# KiCad board B-Sides 2024.kicad_pcb (continued)
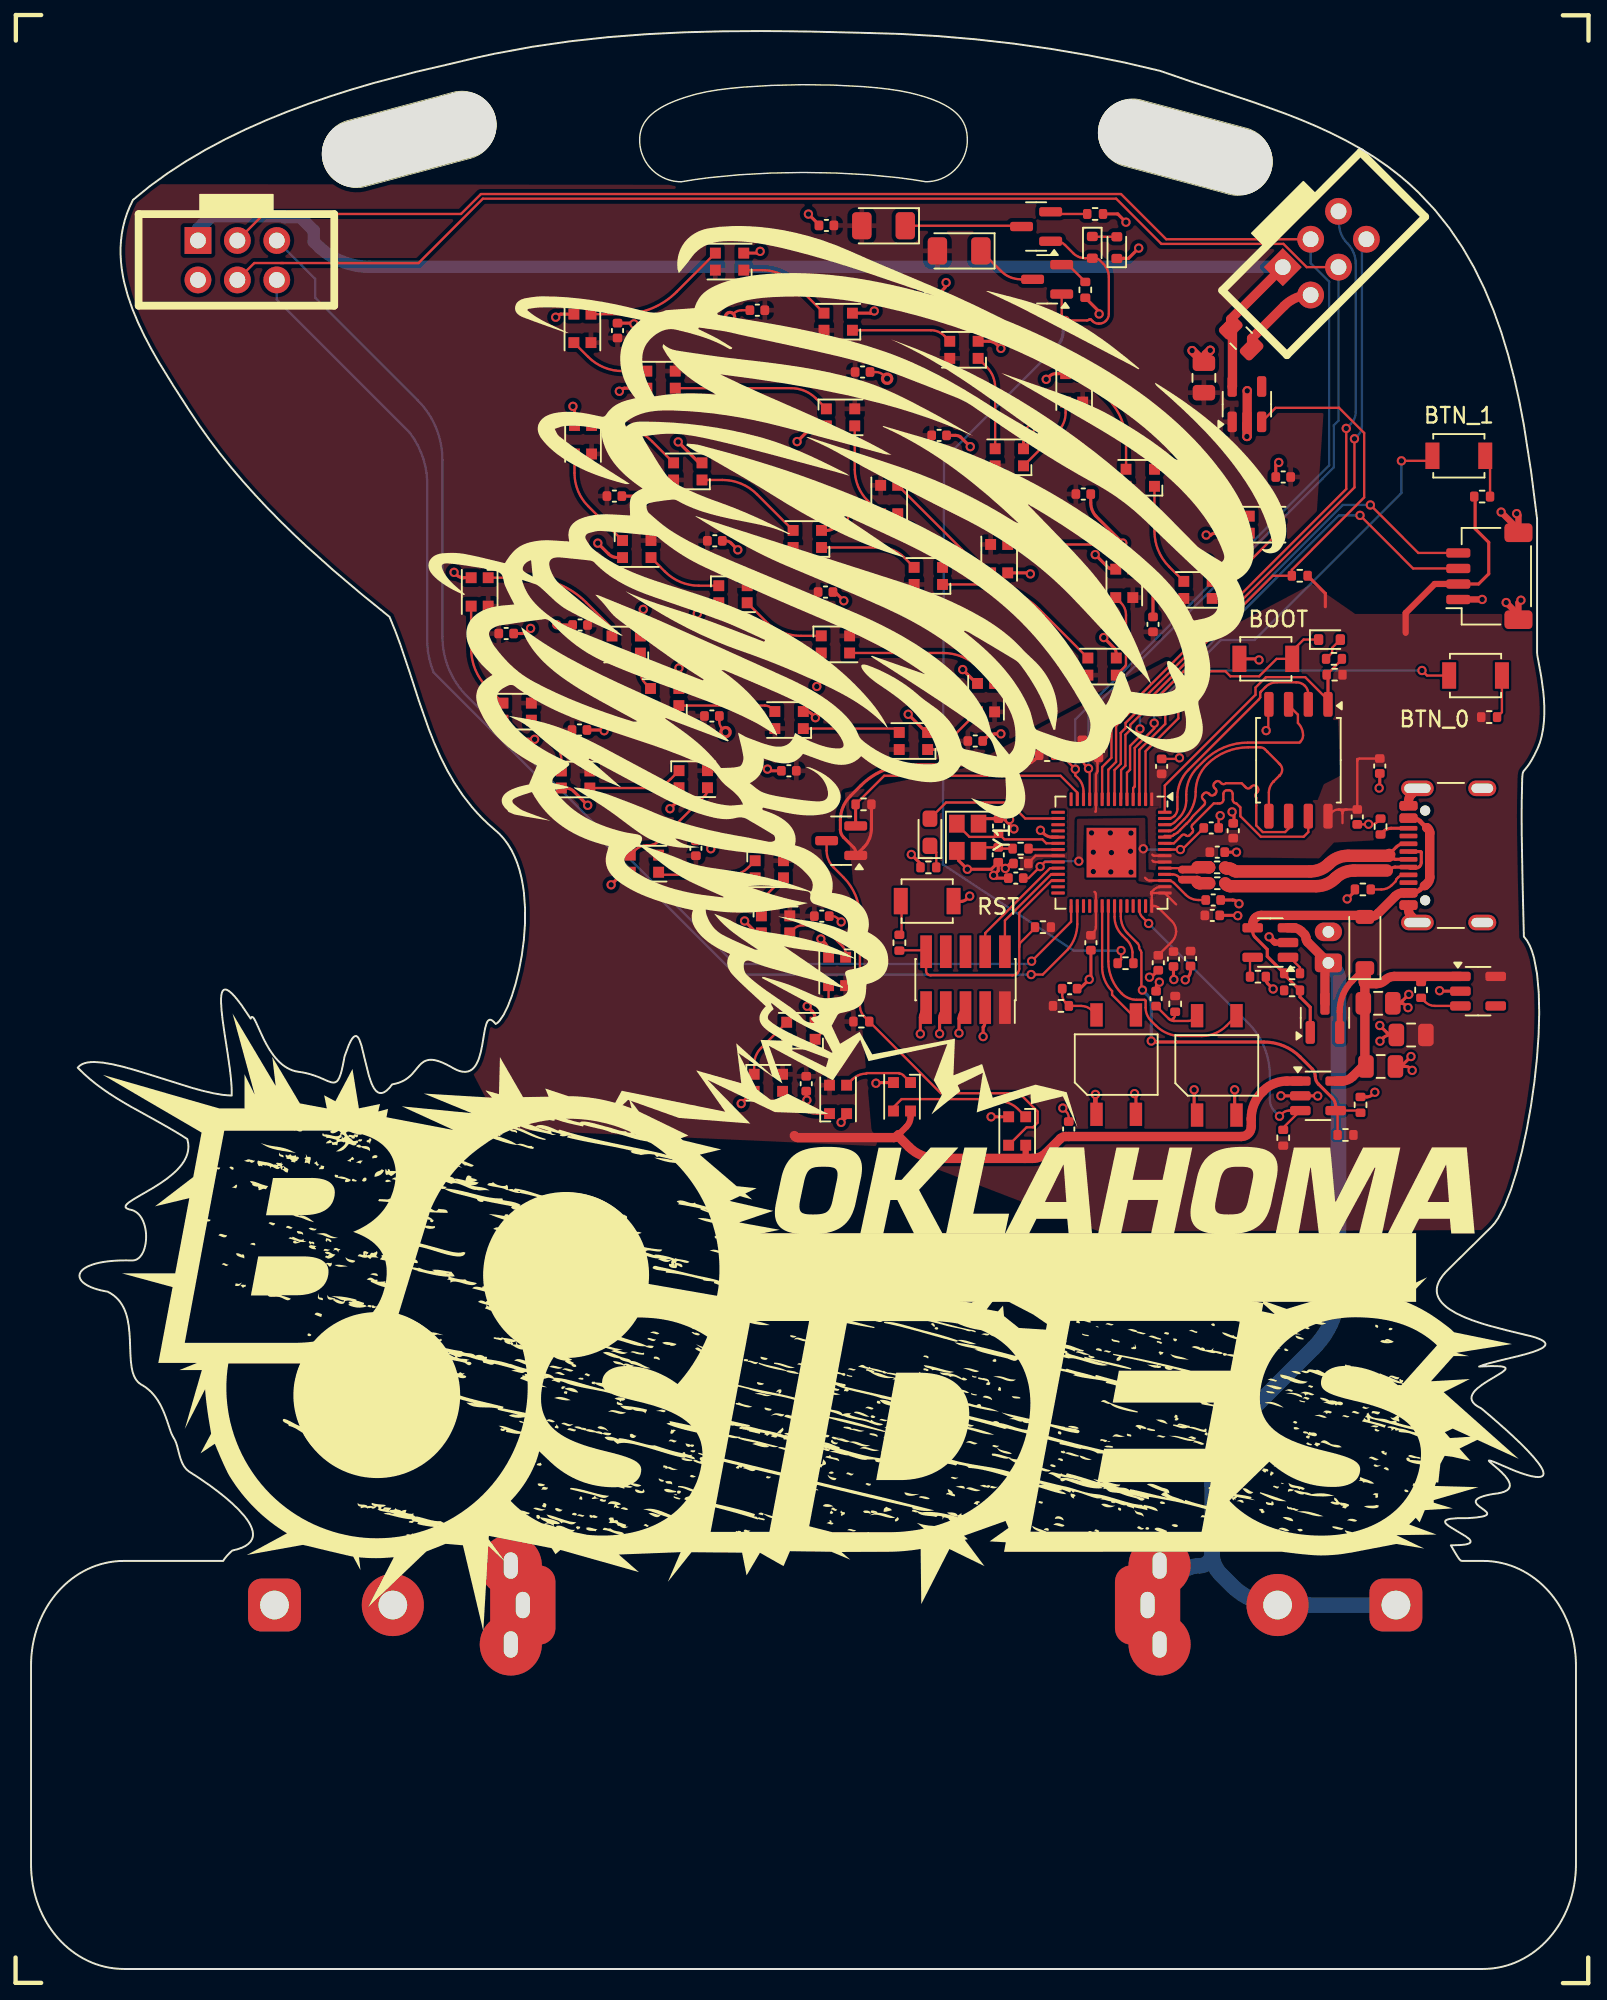
[diagram p0: board, top side]
## Routing (per net, layer and track width the routed paths; a pad name or vN(x,y) marks a point on that pad's centre or on a via; arc(x,y) is an arc through that point) (continued)
Net-(LD2-C): length 7.4
  Top w0.15: LD2.1 63.77,112.26
Net-(Q1-E): length 1.6
  Top w0.15: R11.1 66.8,109.76
Net-(Q3-E): length 2.2
  Top w0.15: R10.1 65.83,113.02
Net-(R6-Pad1): length 2.1
  Top w0.15: 56.08,68.68 56.08,66.74 R6.1
Net-(R14-Pad2): length 2.8
  Top w0.15: SW3.2 94,97.13 R14.2
Net-(R16-Pad2): length 2.8
  Top w0.15: R16.2 94.76,80.93 SW4.2
Net-(U1-Vs): length 3.2
  Top w0.15: C1.1 66.43,62.75 arc(66.49,62.47) 66.65,62.23 arc(66.89,62.07) 67.17,62.02 67.65,62.02 arc(68.03,61.94) 68.35,61.73 U1.4
Net-(U3-USB_DM): length 1.2
  Top w0.15: 74.12,70.15 73.95,70.32 arc(73.76,70.44) 73.54,70.49 U3.46
Net-(U3-USB_DP): length 1
  Top w0.15: U3.47 74.05,70.89
Net-(U4-EN): length 2.7
  Top w0.15: R5.2 89.82,62.28 arc(90.1,62.08) 90.44,62.02 92.09,62.02
Net-(U7-CEN): length 1.5
  Top w0.15: R17.2 81.75,64.49 81.09,65.15 U7.1 80.98,65.06
Net-(U7-PROG): length 1.1
  Top w0.15: R26.2 78.53,64.97
Net-(U9-Vs): length 4.1
  Top w0.15: 73.58,61.18 73.6,61.2 arc(73.68,61.33) 73.71,61.48 R9.2 ; 73.58,61.18 arc(73.56,61.09) 73.63,61.05 ; 73.58,61.18 arc(73.44,61.12) 73.31,61.18 ; 73.63,61.05 74.54,61.05 arc(74.76,61.09) 74.95,61.22 U9.4 ; 73.63,61.05 arc(73.46,61.08) 73.31,61.18 ; 73.31,61.18 C2.1

## Copper pours and planes (outline as drawn; the poured copper is in the pictures)
+1V2 on Top: 72.37,69.88 71.34,70.05 71.37,73.63 67.83,73.65 67.74,71.07 67.25,71.13 67.25,71.45 67.35,71.59 67.38,74.07 71.78,74.13 71.84,70.64 72.34,70.62
+3.3V on Top: 66.83,74.73 72.64,74.87 72.43,69.05 66.75,69.04
+3.3V on Top: 85.31,87.26 82.52,89.19 60.03,77.31 52.43,75.76 54.5,52.99 68.83,47.49 93.87,47.59 100.95,53.82 99.34,87.26
GND on Bottom: 4.54,114.55 102.3,114.6 101.98,-7.34 -1.58,-7.7
/LED_VIN on Top: -1.31,114.95 84.26,114.84 82.52,89.19 59.89,77.27 52.43,75.76 54.5,52.99 30.34,54.07

## Text on the board
B.Silkscreen: - | +
F.Silkscreen: RST | BOOT | BTN_0 | BTN_1
